# Altium PCB BatteryMonitor1try.PcbDoc
Units mil, origin at the board's own origin, x right, y up, seen from the top; angles counter-clockwise.
Board outline 6000 x 4000 mil, 2 copper layers (Top Layer, Bottom Layer); 196 components, 147 nets, 646 pads, 16 vias.
Unrouted connection lines stored in the file: 312.
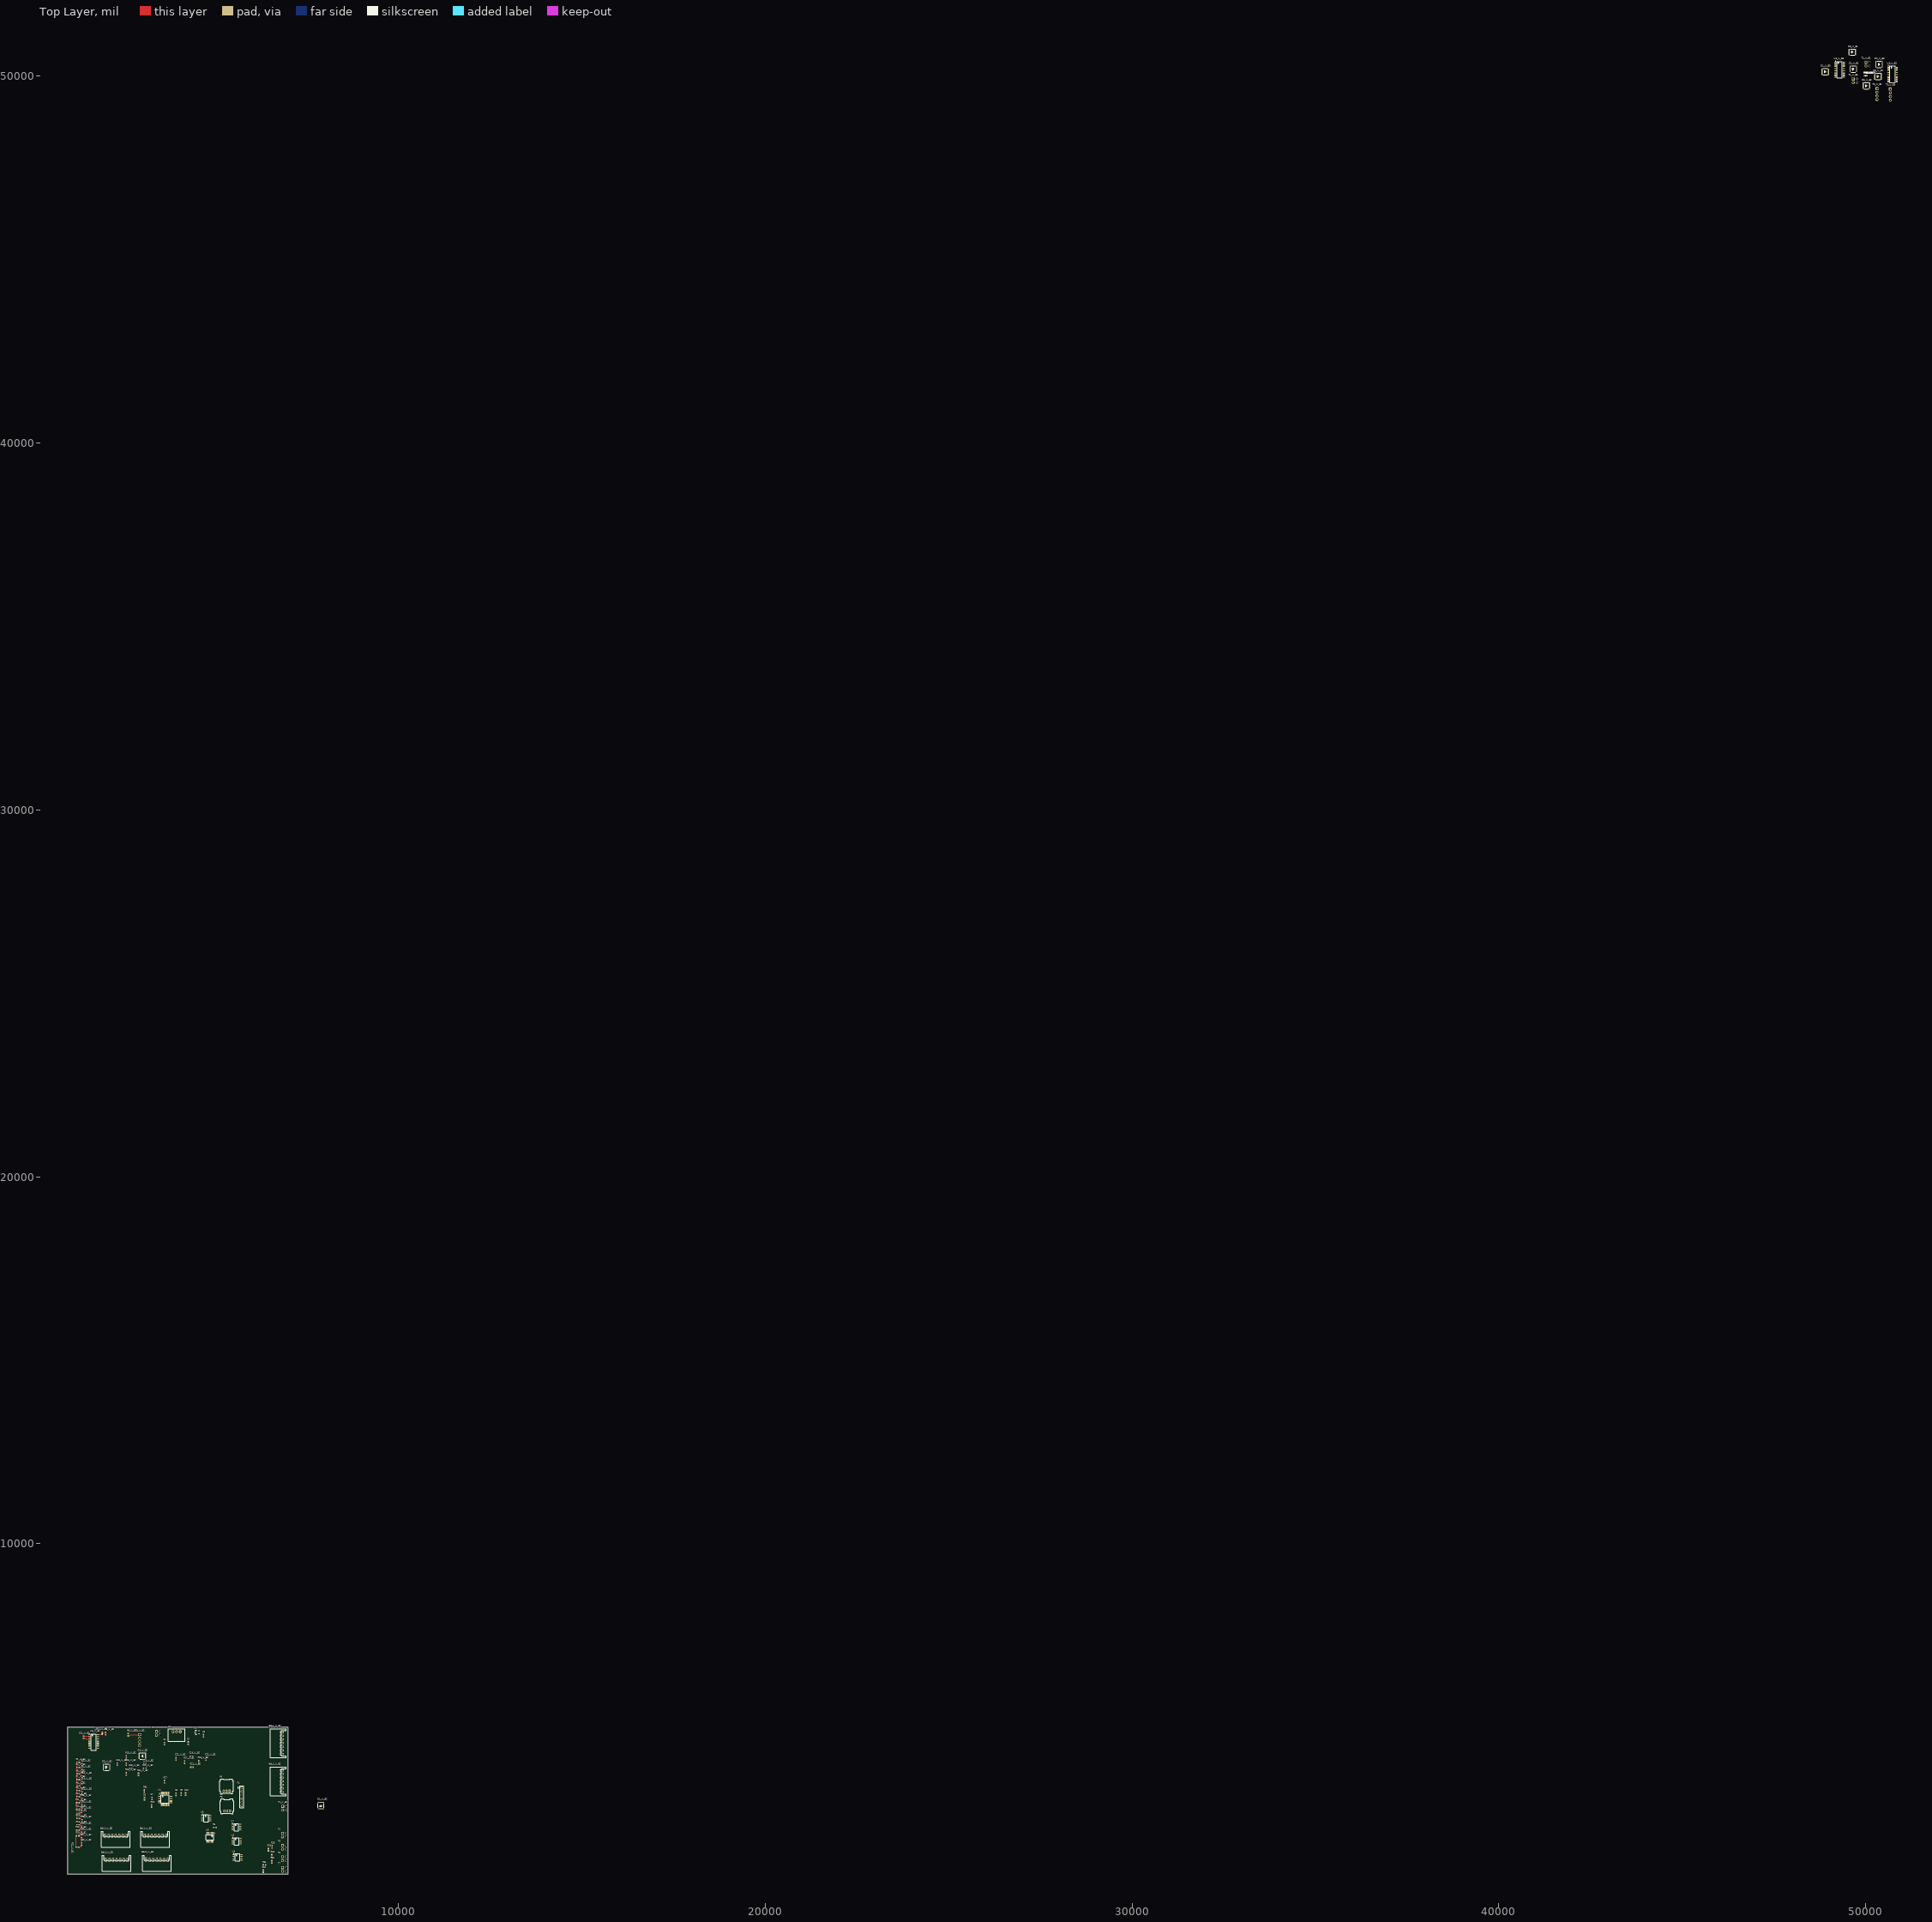
[diagram p0: Top Layer view]
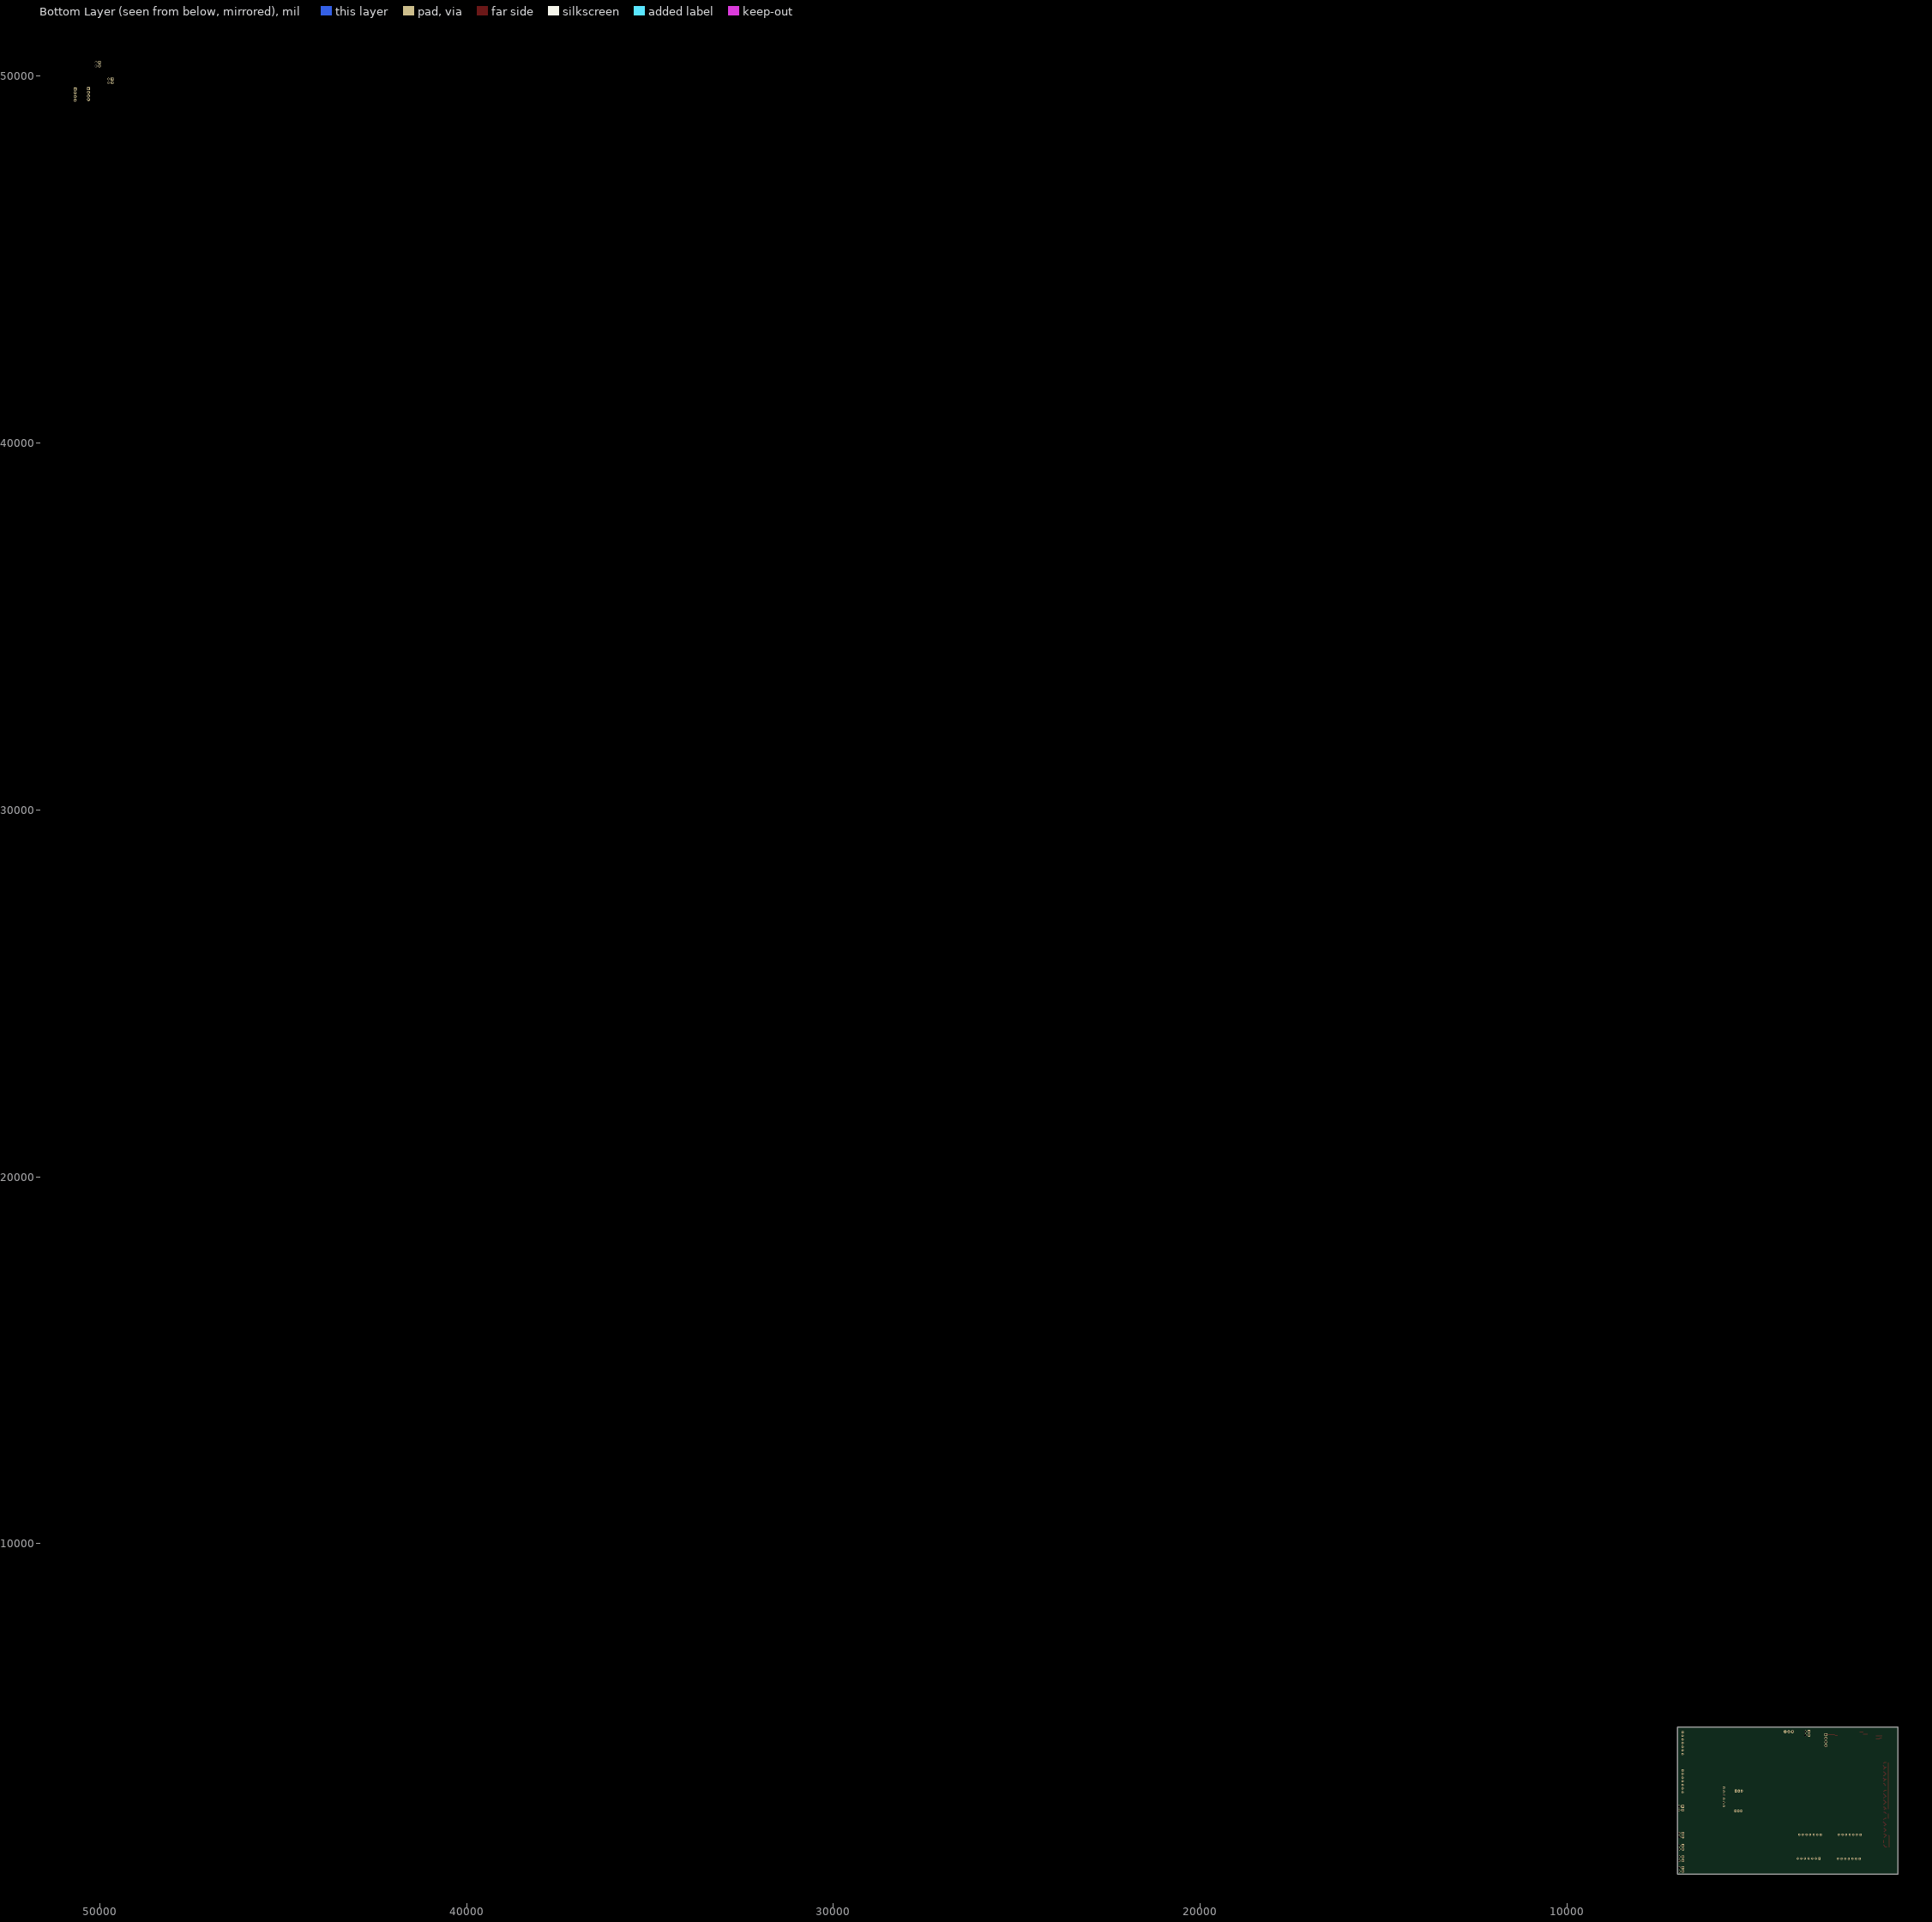
[diagram p1: Bottom Layer view, seen from below]

## Layer stack, top to bottom
Top Solder: solder mask 0.4, Solder Resist, Dk 3.5
Top Layer: signal copper 1.4
Dielectric 1: dielectric 12.6, FR-4, Dk 4.8
Bottom Layer: signal copper 1.4
Bottom Solder: solder mask 0.4, Solder Resist, Dk 3.5

## Board outline
1000,1000 7000,1000 7000,5000 1000,5000

## Design rules (kind name [scope] priority, off if disabled: settings)
Clearance [All] p1: gap=10 except(5: Track-Track Track-SMDPad SMDPad-SMDPad; 7: Track-Via)
HoleSize [All] p1: absolutevalues=TRUE maxlimit=150 minlimit=10 maxpercent=80.000 minpercent=20.000
MinimumAnnularRing [All] p1: minimumring=7
MinimumSolderMaskSliver [All] p1: minsoldermaskwidth=1
PolygonConnect [All] p1: connectstyle=Relief reliefconductorwidth=10 reliefentries=4 polygonreliefangle="90 Angle" airgapwidth=10
RoutingVias [All] p1: holewidth=10 width=22 viastyle="Through Hole" minholewidth=10 minwidth=22 maxholewidth=100 maxwidth=150
SilkToSolderMaskClearance [IsPad] p1: minsilkscreentomaskgap=5 clearancetoexposedcopper=TRUE
SolderMaskExpansion [All] p1: expansion=4
Width [All] p1: maxlimit=150 minlimit=8 preferedwidth=10
27 further rules are at their usual default settings.

## Classes and differential pairs
component class U_B3: BAL1_U_B3 BAL2_U_B3 C4_U_B3 C5_U_B3 C11_U_B3 C12_U_B3 C13_U_B3 C14_U_B3 C15_U_B3 C16_U_B3 C17_U_B3 C18_U_B3 C19_U_B3 C20_U_B3 C21_U_B3 C22_U_B3 C23_U_B3 C24_U_B3 C25_U_B3 C26_U_B3 C27_U_B3 C28_U_B3 C29_U_B3 C30_U_B3 D1_U_B3 D2_U_B3 D3_U_B3 LED1_U_B3 R1_U_B3 R2_U_B3 R4_U_B3 R5_U_B3 R6_U_B3 R7_U_B3 R8_U_B3 R9_U_B3 R10_U_B3 R11_U_B3 R12_U_B3 R13_U_B3 R14_U_B3 R15_U_B3 R16_U_B3 R17_U_B3 R18_U_B3 R19_U_B3 R20_U_B3 R21_U_B3 R22_U_B3 R23_U_B3 R24_U_B3 T1_U_B3 T3_U_B3 U3_U_B3
component class U_B2: BAL1_U_B2 BAL2_U_B2 C4_U_B2 C5_U_B2 C11_U_B2 C12_U_B2 C13_U_B2 C14_U_B2 C15_U_B2 C16_U_B2 C17_U_B2 C18_U_B2 C19_U_B2 C20_U_B2 C21_U_B2 C22_U_B2 C23_U_B2 C24_U_B2 C25_U_B2 C26_U_B2 C27_U_B2 C28_U_B2 C29_U_B2 C30_U_B2 D1_U_B2 D2_U_B2 D3_U_B2 LED1_U_B2 R1_U_B2 R2_U_B2 R4_U_B2 R5_U_B2 R6_U_B2 R7_U_B2 R8_U_B2 R9_U_B2 R10_U_B2 R11_U_B2 R12_U_B2 R13_U_B2 R14_U_B2 R15_U_B2 R16_U_B2 R17_U_B2 R18_U_B2 R19_U_B2 R20_U_B2 R21_U_B2 R22_U_B2 R23_U_B2 R24_U_B2 T1_U_B2 T3_U_B2 U3_U_B2
component class U_B1: BAL1_U_B1 BAL2_U_B1 C4_U_B1 C5_U_B1 C11_U_B1 C12_U_B1 C13_U_B1 C14_U_B1 C15_U_B1 C16_U_B1 C17_U_B1 C18_U_B1 C19_U_B1 C20_U_B1 C21_U_B1 C22_U_B1 C23_U_B1 C24_U_B1 C25_U_B1 C26_U_B1 C27_U_B1 C28_U_B1 C29_U_B1 C30_U_B1 D1_U_B1 D2_U_B1 D3_U_B1 LED1_U_B1 R1_U_B1 R2_U_B1 R4_U_B1 R5_U_B1 R6_U_B1 R7_U_B1 R8_U_B1 R9_U_B1 R10_U_B1 R11_U_B1 R12_U_B1 R13_U_B1 R14_U_B1 R15_U_B1 R16_U_B1 R17_U_B1 R18_U_B1 R19_U_B1 R20_U_B1 R21_U_B1 R22_U_B1 R23_U_B1 R24_U_B1 T1_U_B1 T3_U_B1 U3_U_B1
component class U_M: C1 C2 C3 C6 C7 C8 C9 C10 FB1 P4 P5 P6 R3 R25 R26 R27 R28 R29 R30 R31 R32 T2 T4 T5 T6 T7 U1 U2 U4 U5 U6 U7 U8 U9
channel class BatteryBackpacks: U_BatteryBackpacks1 U_BatteryBackpacks2 U_BatteryBackpacks3

## Components (designator, comment, footprint, x,y, rotation, side; value= is the part's Value field where it differs from the comment)
BAL1_U_B1 "JST1x7" JST1x7 3095,2075 r0 top (schematic designator BAL1)
BAL1_U_B2 "JST1x7" JST1x7 6865,4865 r270 top (schematic designator BAL1)
BAL1_U_B3 "JST1x7" JST1x7 2015,2075 r0 top (schematic designator BAL1)
BAL2_U_B1 "JST1x7" JST1x7 2040,1420 r0 top (schematic designator BAL2)
BAL2_U_B2 "JST1x7" JST1x7 6865,3825 r270 top (schematic designator BAL2)
BAL2_U_B3 "JST1x7" JST1x7 3135,1425 r0 top (schematic designator BAL2)
C1 "Cap" CAPC0603 3640,4555 r90 top
C2 "Cap" CAPC0603 4285,4570 r90 top
C3 "Cap" CAPC0603 4700,4770 r90 top
C4_U_B1 "Cap" CAPC0603 49999.5,49999.5 r0 top (schematic designator C4)
C4_U_B2 "Cap" CAPC0603 1395,3980 r90 top (schematic designator C4)
C4_U_B3 "Cap" CAPC0603 49999.5,49999.5 r0 top (schematic designator C4)
C5_U_B1 "Cap" CAPC0603 49999.5,49999.5 r0 top (schematic designator C5)
C5_U_B2 "Cap" CAPC0603 1400,3815 r90 top (schematic designator C5)
C5_U_B3 "Cap" CAPC0603 49999.5,49999.5 r0 top (schematic designator C5)
C6 "Cap" CAPC0603 3095,3055 r90 top
C7 "Cap" CAPC0603 3295,3060 r90 top
C8 "Cap" CAPC0603 3950,3175 r90 top
C9 "Cap" CAPC0603 4090,3180 r90 top
C10 "Cap" CAPC0603 4215,3180 r90 top
C11_U_B1 "Cap" CAPC0603 49999.5,49999.5 r0 top (schematic designator C11)
C11_U_B2 "Cap" CAPC0603 1435,4730 r270 top (schematic designator C11)
C11_U_B3 "Cap" CAPC0603 49999.5,49999.5 r0 top (schematic designator C11)
C12_U_B1 "Cap" CAPC0603 49999.5,49999.5 r0 top (schematic designator C12)
C12_U_B2 "Cap" CAPC0603 1400,3645 r90 top (schematic designator C12)
C12_U_B3 "Cap" CAPC0603 49999.5,49999.5 r0 top (schematic designator C12)
C13_U_B1 "Cap" CAPC0603 49999.5,49999.5 r0 top (schematic designator C13)
C13_U_B2 "Cap" CAPC0603 1395,3490 r90 top (schematic designator C13)
C13_U_B3 "Cap" CAPC0603 49999.5,49999.5 r0 top (schematic designator C13)
C14_U_B1 "Cap" CAPC0603 49999.5,49999.5 r0 top (schematic designator C14)
C14_U_B2 "Cap" CAPC0603 1395,3210 r90 top (schematic designator C14)
C14_U_B3 "Cap" CAPC0603 49999.5,49999.5 r0 top (schematic designator C14)
C15_U_B1 "Cap" CAPC0603 49999.5,49999.5 r0 top (schematic designator C15)
C15_U_B2 "Cap" CAPC0603 1390,3035 r90 top (schematic designator C15)
C15_U_B3 "Cap" CAPC0603 49999.5,49999.5 r0 top (schematic designator C15)
C16_U_B1 "Cap" CAPC0603 49999.5,49999.5 r0 top (schematic designator C16)
C16_U_B2 "Cap" CAPC0603 1390,2855 r90 top (schematic designator C16)
C16_U_B3 "Cap" CAPC0603 49999.5,49999.5 r0 top (schematic designator C16)
C17_U_B1 "Cap" CAPC0603 49999.5,49999.5 r0 top (schematic designator C17)
C17_U_B2 "Cap" CAPC0603 1385,2715 r90 top (schematic designator C17)
C17_U_B3 "Cap" CAPC0603 49999.5,49999.5 r0 top (schematic designator C17)
C18_U_B1 "Cap" CAPC0603 49999.5,49999.5 r0 top (schematic designator C18)
C18_U_B2 "Cap" CAPC0603 1390,2450 r90 top (schematic designator C18)
C18_U_B3 "Cap" CAPC0603 49999.5,49999.5 r0 top (schematic designator C18)
C19_U_B1 "Cap" CAPC0603 49999.5,49999.5 r0 top (schematic designator C19)
C19_U_B2 "Cap" CAPC0603 4375,4215 r180 top (schematic designator C19)
C19_U_B3 "Cap" CAPC0603 49999.5,49999.5 r0 top (schematic designator C19)
C20_U_B1 "Cap" CAPC0603 49999.5,49999.5 r0 top (schematic designator C20)
C20_U_B2 "Cap" CAPC0603 1385,2270 r90 top (schematic designator C20)
C20_U_B3 "Cap" CAPC0603 49999.5,49999.5 r0 top (schematic designator C20)
C21_U_B1 "Cap" CAPC0603 49999.5,49999.5 r0 top (schematic designator C21)
C21_U_B2 "Cap" CAPC0603 3950,4140 r90 top (schematic designator C21)
C21_U_B3 "Cap" CAPC0603 49999.5,49999.5 r0 top (schematic designator C21)
C22_U_B1 "Cap" CAPC0603 49999.5,49999.5 r0 top (schematic designator C22)
C22_U_B2 "Cap" CAPC0603 4770,4140 r90 top (schematic designator C22)
C22_U_B3 "Cap" CAPC0603 49999.5,49999.5 r0 top (schematic designator C22)
C23_U_B1 "Cap" CAPC0603 49999.5,49999.5 r0 top (schematic designator C23)
C23_U_B2 "Cap" CAPC0603 3105,4010 r180 top (schematic designator C23)
C23_U_B3 "Cap" CAPC0603 49999.5,49999.5 r0 top (schematic designator C23)
C24_U_B1 "Cap" CAPC0603 49999.5,49999.5 r0 top (schematic designator C24)
C24_U_B2 "Cap" CAPC0603 2350,3995 r90 top (schematic designator C24)
C24_U_B3 "Cap" CAPC0603 49999.5,49999.5 r0 top (schematic designator C24)
C25_U_B1 "Cap" CAPC0603 49999.5,49999.5 r0 top (schematic designator C25)
C25_U_B2 "Cap" CAPC0603 2600,3995 r90 top (schematic designator C25)
C25_U_B3 "Cap" CAPC0603 49999.5,49999.5 r0 top (schematic designator C25)
C26_U_B1 "Cap" CAPC0603 49999.5,49999.5 r0 top (schematic designator C26)
C26_U_B2 "Cap" CAPC0603 1380,2115 r90 top (schematic designator C26)
C26_U_B3 "Cap" CAPC0603 49999.5,49999.5 r0 top (schematic designator C26)
C27_U_B1 "Cap" CAPC0603 49999.5,49999.5 r0 top (schematic designator C27)
C27_U_B2 "Cap" CAPC0603 1380,1955 r90 top (schematic designator C27)
C27_U_B3 "Cap" CAPC0603 49999.5,49999.5 r0 top (schematic designator C27)
C28_U_B1 "Cap" CAPC0603 49999.5,49999.5 r0 top (schematic designator C28)
C28_U_B2 "Cap" CAPC0603 2720,3885 r180 top (schematic designator C28)
C28_U_B3 "Cap" CAPC0603 49999.5,49999.5 r0 top (schematic designator C28)
C29_U_B1 "Cap" CAPC0603 49999.5,49999.5 r0 top (schematic designator C29)
C29_U_B2 "Cap" CAPC0603 3100,3880 r180 top (schematic designator C29)
C29_U_B3 "Cap" CAPC0603 49999.5,49999.5 r0 top (schematic designator C29)
C30_U_B1 "Cap" CAPC0603 49999.5,49999.5 r0 top (schematic designator C30)
C30_U_B2 "Cap" CAPC0603 1385,1820 r90 top (schematic designator C30)
C30_U_B3 "Cap" CAPC0603 49999.5,49999.5 r0 top (schematic designator C30)
D1_U_B1 "Diode" TEMD5510FX01 49655,50180 r0 top (schematic designator D1)
D1_U_B2 "Diode" TEMD5510FX01 7900,2865 r90 top (schematic designator D1)
D1_U_B3 "Diode" TEMD5510FX01 48890,50105 r0 top (schematic designator D1)
D2_U_B1 "Diode" TEMD5510FX01 50330,49980 r0 top (schematic designator D2)
D2_U_B2 "Diode" TEMD5510FX01 3035,4220 r180 top (schematic designator D2)
D2_U_B3 "Diode" TEMD5510FX01 50360,50305 r0 top (schematic designator D2)
D3_U_B1 "Diode" TEMD5510FX01 49630,50640 r0 top (schematic designator D3)
D3_U_B2 "Diode" TEMD5510FX01 2060,3915 r0 top (schematic designator D3)
D3_U_B3 "Diode" TEMD5510FX01 50015,49725 r0 top (schematic designator D3)
FB1 "FBead" RES0603 3090,3265 r90 top
LED1_U_B1 "LED" LED0603 49999.5,49999.5 r0 top (schematic designator LED1)